# KiCad board Keyboard.kicad_pcb (continued)
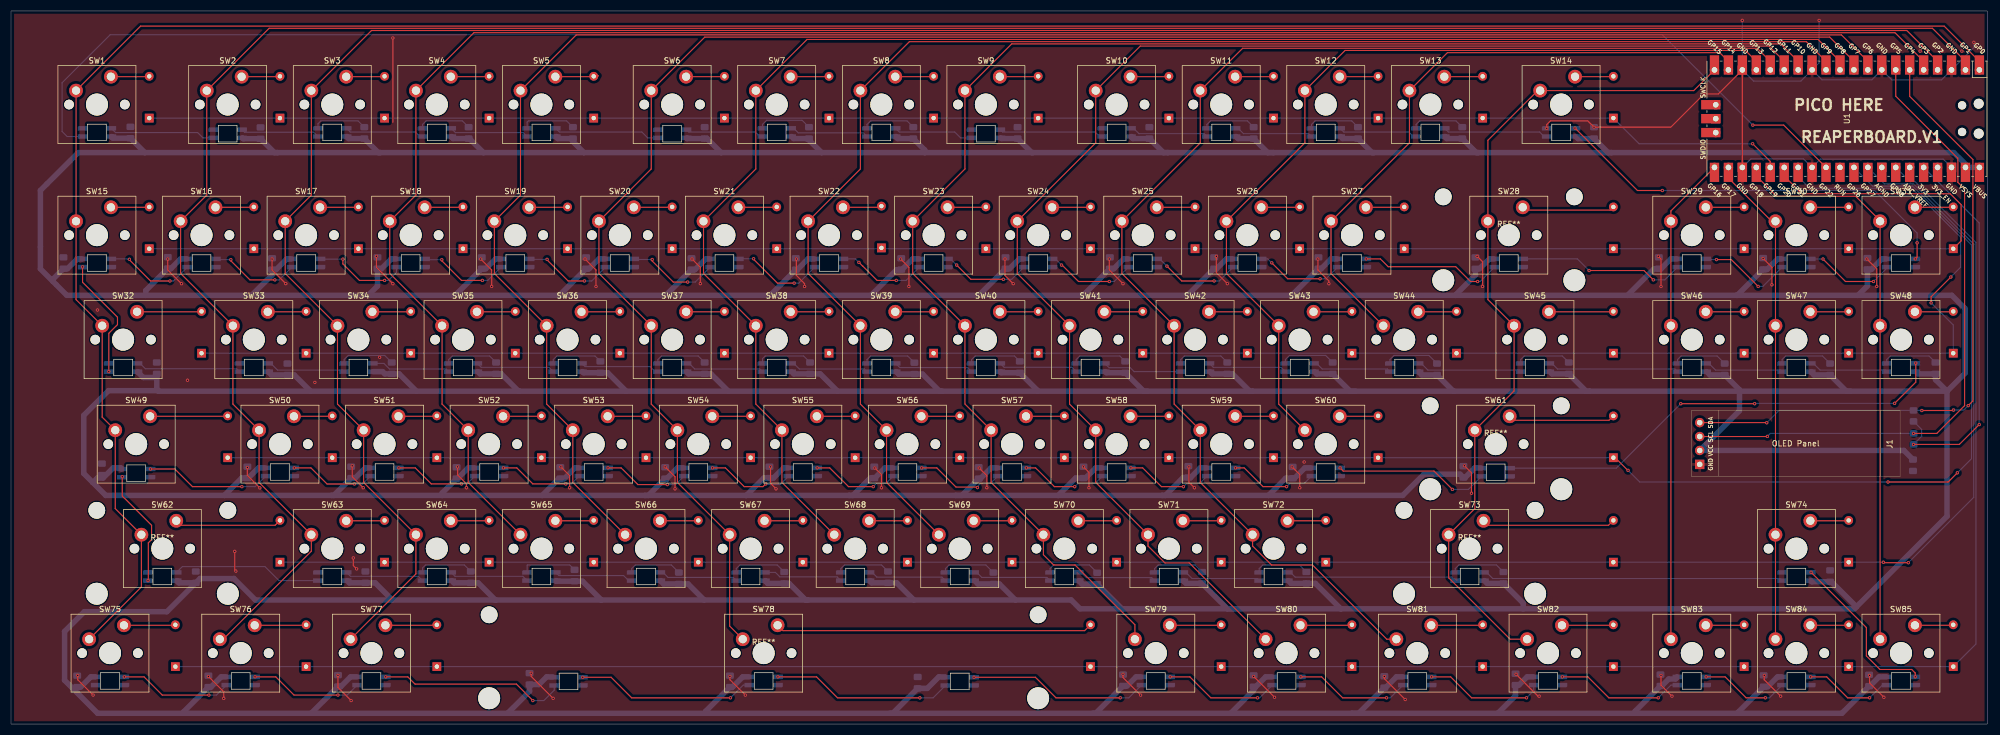
[diagram p0: board, top side]
## Placement (name value [footprint] x y rotation side) (continued)
SW78  SW_Push  [SW_Cherry_MX_PCB_6.25u]  137.1 12.93 0 top
SW79  SW_Push  [SW_Cherry_MX_PCB_1.25u]  208.54 12.93 0 top
SW80  SW_Push  [SW_Cherry_MX_PCB_1.25u]  232.35 12.93 0 top
SW81  SW_Push  [SW_Cherry_MX_PCB_1.25u]  256.17 12.93 0 top
SW82  SW_Push  [SW_Cherry_MX_PCB_1.25u]  279.98 12.93 0 top
SW83  SW_Push  [SW_Cherry_MX_PCB_1.00u]  306.17 12.93 0 top
SW84  SW_Push  [SW_Cherry_MX_PCB_1.00u]  325.22 12.93 0 top
SW85  SW_Push  [SW_Cherry_MX_PCB_1.00u]  344.27 12.93 0 top
U1  Pico  [RPi_Pico_SMD_TH]  334.43 110.37 270 top

## Library data of the parts
C1-C88 = -: Description: Unpolarized capacitor; ki_fp_filters: C_*
D1-D85 = -: Description: Diode; Sim.Pins: 1=K 2=A; ki_fp_filters: TO-???* *_Diode_* *SingleDiode* D_*
D86-D172 = -: Datasheet: https://cdn-shop.adafruit.com/product-files/2686/SK6812MINI_REV.01-1-2.pdf; Description: RGB LED with integrated controller; ki_fp_filters: LED*SK6812MINI*PLCC*3.5x3.5mm*P1.75mm*
J1 = -: Description: Generic connector, single row, 01x04, script generated; ki_fp_filters: Connector*:*_1x??_*
R1 R2 = -: Description: Resistor; ki_fp_filters: R_*
SW1-SW85 = -: Description: Push button switch, generic, two pins

## Footprints (pads in the part's own frame, mm; a bottom-side part is the same pattern mirrored in y, then rotated)
C_0805_2012Metric_Pad1.18x1.45mm_HandSolder
  rrect 1.175x1.45 smd: 1(-1.038,0) 2(1.038,0)
D_DO-35_SOD27_P7.62mm_Horizontal
  rect 1.6x1.6 hole 0.8: 1(0,0)
  oval 1.6x1.6 hole 0.8: 2(7.62,0)
R_0805_2012Metric_Pad1.20x1.40mm_HandSolder
  rrect 1.2x1.4 smd: 1(-1,0) 2(1,0)
RPi_Pico_SMD_TH
  oval 1.8x1.8 hole 1.8 unplated: (-2.725,24) (2.725,24)
  oval 1.5x1.5 hole 1.5 unplated: (-2.425,20.97) (2.425,20.97)
  oval 1.7x1.7 hole 1.02: 1(-8.89,24.13) 2(-8.89,21.59) 4(-8.89,16.51) 5(-8.89,13.97) 6(-8.89,11.43) 7(-8.89,8.89) 9(-8.89,3.81) 10(-8.89,1.27) 11(-8.89,-1.27) 12(-8.89,-3.81) 14(-8.89,-8.89) 15(-8.89,-11.43) 16(-8.89,-13.97) 17(-8.89,-16.51) 19(-8.89,-21.59) 20(-8.89,-24.13) 21(8.89,-24.13) 22(8.89,-21.59) 24(8.89,-16.51) 25(8.89,-13.97) 26(8.89,-11.43) 27(8.89,-8.89) 29(8.89,-3.81) 30(8.89,-1.27) 31(8.89,1.27) 32(8.89,3.81) 34(8.89,8.89) 35(8.89,11.43) 36(8.89,13.97) 37(8.89,16.51) 39(8.89,21.59) 40(8.89,24.13) 41(-2.54,-23.9) 43(2.54,-23.9)
  rect 3.5x1.7 smd: 1(-8.89,24.13) 2(-8.89,21.59) 3(-8.89,19.05) 4(-8.89,16.51) 5(-8.89,13.97) 6(-8.89,11.43) 7(-8.89,8.89) 8(-8.89,6.35) 9(-8.89,3.81) 10(-8.89,1.27) 11(-8.89,-1.27) 12(-8.89,-3.81) 13(-8.89,-6.35) 14(-8.89,-8.89) 15(-8.89,-11.43) 16(-8.89,-13.97) 17(-8.89,-16.51) 18(-8.89,-19.05) 19(-8.89,-21.59) 20(-8.89,-24.13) 21(8.89,-24.13) 22(8.89,-21.59) 23(8.89,-19.05) 24(8.89,-16.51) 25(8.89,-13.97) 26(8.89,-11.43) 27(8.89,-8.89) 28(8.89,-6.35) 29(8.89,-3.81) 30(8.89,-1.27) 31(8.89,1.27) 32(8.89,3.81) 33(8.89,6.35) 34(8.89,8.89) 35(8.89,11.43) 36(8.89,13.97) 37(8.89,16.51) 38(8.89,19.05) 39(8.89,21.59) 40(8.89,24.13)
  rect 1.7x1.7 hole 1.02: 3(-8.89,19.05) 8(-8.89,6.35) 13(-8.89,-6.35) 18(-8.89,-19.05) 23(8.89,-19.05) 28(8.89,-6.35) 33(8.89,6.35) 38(8.89,19.05) 42(0,-23.9)
  rect 1.7x3.5 smd: 41(-2.54,-23.9) 42(0,-23.9) 43(2.54,-23.9)
SK6812MINI-E
  rect 1.8x0.82 smd: 1(-2.6,0.75) 3(2.6,-0.75) 4(-2.6,-0.75)
  rrect 1.8x0.82 smd: 2(2.6,0.75)
SSD1306-0.91-OLED-4pin-128x32
  rect 1.7x1.7 hole 1: 1(36.5,-2.19)
  oval 1.7x1.7 hole 1: 2(36.5,-4.73) 3(36.5,-7.27) 4(36.5,-9.81)
Stabilizer_Cherry_MX_2.00u
  round 3.048 hole 3.048 unplated: (-11.938,6.985) (11.938,6.985)
  round 3.988 hole 3.988 unplated: (-11.938,-8.225) (11.938,-8.225)
Stabilizer_Cherry_MX_6.25u
  round 3.048 hole 3.048 unplated: (-50,6.985) (50,6.985)
  round 3.988 hole 3.988 unplated: (-50,-8.225) (50,-8.225)
SW_Cherry_MX_PCB_1.00u
  round 1.75 hole 1.75 unplated: (-5.08,0) (5.08,0)
  round 4 hole 4 unplated: (0,0)
  round 2.5 hole 1.5: 1(-3.81,2.54) 2(2.54,5.08)
SW_Cherry_MX_PCB_1.25u
  round 1.75 hole 1.75 unplated: (-5.08,0) (5.08,0)
  round 4 hole 4 unplated: (0,0)
  round 2.5 hole 1.5: 1(-3.81,2.54) 2(2.54,5.08)
SW_Cherry_MX_PCB_1.50u
  round 1.75 hole 1.75 unplated: (-5.08,0) (5.08,0)
  round 4 hole 4 unplated: (0,0)
  round 2.5 hole 1.5: 1(-3.81,2.54) 2(2.54,5.08)
SW_Cherry_MX_PCB_1.75u
  round 1.75 hole 1.75 unplated: (-5.08,0) (5.08,0)
  round 4 hole 4 unplated: (0,0)
  round 2.5 hole 1.5: 1(-3.81,2.54) 2(2.54,5.08)
SW_Cherry_MX_PCB_2.00u
  round 1.75 hole 1.75 unplated: (-5.08,0) (5.08,0)
  round 4 hole 4 unplated: (0,0)
  round 2.5 hole 1.5: 1(-3.81,2.54) 2(2.54,5.08)
SW_Cherry_MX_PCB_2.25u
  round 1.75 hole 1.75 unplated: (-5.08,0) (5.08,0)
  round 4 hole 4 unplated: (0,0)
  round 2.5 hole 1.5: 1(-3.81,2.54) 2(2.54,5.08)
SW_Cherry_MX_PCB_2.75u
  round 1.75 hole 1.75 unplated: (-5.08,0) (5.08,0)
  round 4 hole 4 unplated: (0,0)
  round 2.5 hole 1.5: 1(-3.81,2.54) 2(2.54,5.08)
SW_Cherry_MX_PCB_6.25u
  round 1.75 hole 1.75 unplated: (-5.08,0) (5.08,0)
  round 4 hole 4 unplated: (0,0)
  round 2.5 hole 1.5: 1(-3.81,2.54) 2(2.54,5.08)

## Nets
+3.3V: R1.2 R2.2 U1.36
+5V: C1.2 C2.1 C3.1 C4.1 C5.1 C6.1 C7.1 C8.1 C9.1 C10.1 C11.1 C12.1 C13.1 C14.1 C15.1 C16.1 C17.1 C18.1 C19.1 C20.1 C21.1 C22.1 C23.1 C24.1 C25.1 C26.1 C27.1 C28.1 C29.1 C30.1 C31.1 C32.1 C33.1 C34.1 C35.1 C36.1 C37.1 C38.1 C39.1 C40.1 C41.1 C42.1 C43.1 C44.1 C45.1 C46.1 C47.1 C48.1 C49.1 C50.1 C51.1 C52.1 C53.1 C54.1 C55.1 C56.1 C57.1 C58.1 C59.1 C60.1 C61.1 C62.1 C63.1 C64.1 C65.1 C66.1 C67.1 C68.1 C69.1 C70.1 C71.1 C72.1 C73.1 C74.1 C75.1 C76.1 C77.1 C78.1 C79.1 C80.1 C81.1 C82.1 C83.1 C84.1 C85.1 C86.1 C87.1 C88.1 D86.4 D87.4 D88.4 D89.4 D90.4 D91.4 D92.4 D93.4 D94.4 D95.4 D96.4 D97.4 D98.4 D99.4 D100.4 D101.4 D102.4 D103.4 D104.4 D105.4 D106.4 D107.4 D108.4 D109.4 D110.4 D111.4 D112.4 D113.4 D114.4 D115.4 D116.4 D117.4 D118.4 D119.4 D120.4 D121.4 D122.4 D123.4 D124.4 D125.4 D126.4 D127.4 D128.4 D129.4 D130.4 D131.4 D132.4 D133.4 D134.4 D135.4 D136.4 D137.4 D138.4 D139.4 D140.4 D141.4 D142.4 D143.4 D144.4 D145.4 D146.4 D147.4 D148.4 D149.4 D150.4 D151.4 D152.4 D153.4 D154.4 D155.4 D156.4 D157.4 D158.4 D159.4 D160.4 D161.4 D162.4 D163.4 D164.4 D165.4 D166.4 D167.4 D168.4 D169.4 D170.4 D171.4 D172.4 J1.2 U1.39 U1.40
GND: C1.1 C2.2 C3.2 C4.2 C5.2 C6.2 C7.2 C8.2 C9.2 C10.2 C11.2 C12.2 C13.2 C14.2 C15.2 C16.2 C17.2 C18.2 C19.2 C20.2 C21.2 C22.2 C23.2 C24.2 C25.2 C26.2 C27.2 C28.2 C29.2 C30.2 C31.2 C32.2 C33.2 C34.2 C35.2 C36.2 C37.2 C38.2 C39.2 C40.2 C41.2 C42.2 C43.2 C44.2 C45.2 C46.2 C47.2 C48.2 C49.2 C50.2 C51.2 C52.2 C53.2 C54.2 C55.2 C56.2 C57.2 C58.2 C59.2 C60.2 C61.2 C62.2 C63.2 C64.2 C65.2 C66.2 C67.2 C68.2 C69.2 C70.2 C71.2 C72.2 C73.2 C74.2 C75.2 C76.2 C77.2 C78.2 C79.2 C80.2 C81.2 C82.2 C83.2 C84.2 C85.2 C86.2 C87.2 C88.2 D86.2 D87.2 D88.2 D89.2 D90.2 D91.2 D92.2 D93.2 D94.2 D95.2 D96.2 D97.2 D98.2 D99.2 D100.2 D101.2 D102.2 D103.2 D104.2 D105.2 D106.2 D107.2 D108.2 D109.2 D110.2 D111.2 D112.2 D113.2 D114.2 D115.2 D116.2 D117.2 D118.2 D119.2 D120.2 D121.2 D122.2 D123.2 D124.2 D125.2 D126.2 D127.2 D128.2 D129.2 D130.2 D131.2 D132.2 D133.2 D134.2 D135.2 D136.2 D137.2 D138.2 D139.2 D140.2 D141.2 D142.2 D143.2 D144.2 D145.2 D146.2 D147.2 D148.2 D149.2 D150.2 D151.2 D152.2 D153.2 D154.2 D155.2 D156.2 D157.2 D158.2 D159.2 D160.2 D161.2 D162.2 D163.2 D164.2 D165.2 D166.2 D167.2 D168.2 D169.2 D170.2 D171.2 D172.2 J1.1 U1.3 U1.8 U1.13 U1.18 U1.23 U1.28 U1.38
C1: SW1.1 SW15.1 SW32.1 SW49.1 SW62.1 SW75.1 U1.1
C2: SW2.1 SW16.1 SW33.1 SW50.1 SW63.1 SW76.1 U1.2
C3: SW3.1 SW17.1 SW34.1 SW51.1 SW64.1 SW77.1 U1.4
C4: SW4.1 SW18.1 SW35.1 SW52.1 SW65.1 U1.5
C5: SW5.1 SW19.1 SW36.1 SW53.1 SW66.1 U1.9
C6: SW6.1 SW20.1 SW37.1 SW54.1 SW67.1 SW78.1 U1.10
C7: SW7.1 SW21.1 SW38.1 SW55.1 SW68.1 U1.11
C8: SW8.1 SW22.1 SW39.1 SW56.1 SW69.1 U1.12
C9: SW9.1 SW23.1 SW40.1 SW57.1 SW70.1 SW79.1 U1.14
C10: SW10.1 SW24.1 SW41.1 SW58.1 SW71.1 SW80.1 U1.15
C11: SW11.1 SW25.1 SW42.1 SW59.1 SW72.1 SW81.1 U1.16
C12: SW12.1 SW26.1 SW43.1 SW60.1 U1.17
C13: SW13.1 SW27.1 SW44.1 U1.19
C14: SW14.1 SW28.1 SW45.1 SW61.1 SW73.1 SW82.1 U1.20
C15: SW29.1 SW46.1 SW83.1 U1.21
C16: SW30.1 SW47.1 SW74.1 SW84.1 U1.22
C17: SW31.1 SW48.1 SW85.1 U1.24
LED: D86.3 U1.29
R1: D1.1 D2.1 D3.1 D4.1 D5.1 D6.1 D7.1 D8.1 D9.1 D10.1 D11.1 D12.1 D13.1 D14.1 U1.25
R2: D15.1 D16.1 D17.1 D18.1 D19.1 D20.1 D21.1 D22.1 D23.1 D24.1 D25.1 D26.1 D27.1 D28.1 D29.1 D30.1 D31.1 U1.26
R3: D32.1 D33.1 D34.1 D35.1 D36.1 D37.1 D38.1 D39.1 D40.1 D41.1 D42.1 D43.1 D44.1 D45.1 D46.1 D47.1 D48.1 U1.27
R4: D49.1 D50.1 D51.1 D52.1 D53.1 D54.1 D55.1 D56.1 D57.1 D58.1 D59.1 D60.1 D61.1 U1.31
R5: D62.1 D63.1 D64.1 D65.1 D66.1 D67.1 D68.1 D69.1 D70.1 D71.1 D72.1 D73.1 D74.1 U1.32
R6: D75.1 D76.1 D77.1 D78.1 D79.1 D80.1 D81.1 D82.1 D83.1 D84.1 D85.1 U1.34
SCL: J1.3 R1.1 U1.7
SDA: J1.4 R2.1 U1.6
Net-(D1-A): D1.2 SW1.2
Net-(D2-A): D2.2 SW2.2
Net-(D3-A): D3.2 SW3.2
Net-(D4-A): D4.2 SW4.2
Net-(D5-A): D5.2 SW5.2
Net-(D6-A): D6.2 SW6.2
Net-(D7-A): D7.2 SW7.2
Net-(D8-A): D8.2 SW8.2
Net-(D9-A): D9.2 SW9.2
Net-(D10-A): D10.2 SW10.2
Net-(D11-A): D11.2 SW11.2
Net-(D12-A): D12.2 SW12.2
Net-(D13-A): D13.2 SW13.2
Net-(D14-A): D14.2 SW14.2
Net-(D15-A): D15.2 SW15.2
Net-(D16-A): D16.2 SW16.2
Net-(D17-A): D17.2 SW17.2
Net-(D18-A): D18.2 SW18.2
Net-(D19-A): D19.2 SW19.2
Net-(D20-A): D20.2 SW20.2
Net-(D21-A): D21.2 SW21.2
Net-(D22-A): D22.2 SW22.2
Net-(D23-A): D23.2 SW23.2
Net-(D24-A): D24.2 SW24.2
Net-(D25-A): D25.2 SW25.2
Net-(D26-A): D26.2 SW26.2
Net-(D27-A): D27.2 SW27.2
Net-(D28-A): D28.2 SW28.2
Net-(D29-A): D29.2 SW29.2
Net-(D30-A): D30.2 SW30.2
Net-(D31-A): D31.2 SW31.2
Net-(D32-A): D32.2 SW32.2
Net-(D33-A): D33.2 SW33.2
Net-(D34-A): D34.2 SW34.2
Net-(D35-A): D35.2 SW35.2
Net-(D36-A): D36.2 SW36.2
Net-(D37-A): D37.2 SW37.2
Net-(D38-A): D38.2 SW38.2
Net-(D39-A): D39.2 SW39.2
Net-(D40-A): D40.2 SW40.2
Net-(D41-A): D41.2 SW41.2
Net-(D42-A): D42.2 SW42.2
Net-(D43-A): D43.2 SW43.2
Net-(D44-A): D44.2 SW44.2
Net-(D45-A): D45.2 SW45.2
Net-(D46-A): D46.2 SW46.2
Net-(D47-A): D47.2 SW47.2
Net-(D48-A): D48.2 SW48.2
Net-(D49-A): D49.2 SW49.2
Net-(D50-A): D50.2 SW50.2
Net-(D51-A): D51.2 SW51.2
Net-(D52-A): D52.2 SW52.2
Net-(D53-A): D53.2 SW53.2
Net-(D54-A): D54.2 SW54.2
Net-(D55-A): D55.2 SW55.2
Net-(D56-A): D56.2 SW56.2
Net-(D57-A): D57.2 SW57.2
Net-(D58-A): D58.2 SW58.2
Net-(D59-A): D59.2 SW59.2
Net-(D60-A): D60.2 SW60.2
Net-(D61-A): D61.2 SW61.2
Net-(D62-A): D62.2 SW62.2
Net-(D63-A): D63.2 SW63.2
Net-(D64-A): D64.2 SW64.2
Net-(D65-A): D65.2 SW65.2
Net-(D66-A): D66.2 SW66.2
Net-(D67-A): D67.2 SW67.2
Net-(D68-A): D68.2 SW68.2
Net-(D69-A): D69.2 SW69.2
Net-(D70-A): D70.2 SW70.2
Net-(D71-A): D71.2 SW71.2
Net-(D72-A): D72.2 SW72.2
Net-(D73-A): D73.2 SW73.2
Net-(D74-A): D74.2 SW74.2
Net-(D75-A): D75.2 SW75.2
Net-(D76-A): D76.2 SW76.2
Net-(D77-A): D77.2 SW77.2
Net-(D78-A): D78.2 SW78.2
Net-(D79-A): D79.2 SW79.2
Net-(D80-A): D80.2 SW80.2
Net-(D81-A): D81.2 SW81.2
Net-(D82-A): D82.2 SW82.2
Net-(D83-A): D83.2 SW83.2
Net-(D84-A): D84.2 SW84.2
Net-(D85-A): D85.2 SW85.2
Net-(D86-DOUT): D86.1 D87.3
Net-(D87-DOUT): D87.1 D88.3
Net-(D88-DOUT): D88.1 D89.3
Net-(D89-DOUT): D89.1 D90.3
Net-(D90-DOUT): D90.1 D91.3
Net-(D91-DOUT): D91.1 D92.3
Net-(D92-DOUT): D92.1 D93.3
Net-(D93-DOUT): D93.1 D94.3
Net-(D94-DOUT): D94.1 D95.3
Net-(D95-DOUT): D95.1 D96.3
Net-(D96-DOUT): D96.1 D97.3
Net-(D97-DOUT): D97.1 D98.3
Net-(D98-DOUT): D98.1 D99.3
Net-(D100-DIN): D99.1 D100.3
Net-(D100-DOUT): D100.1 D101.3
Net-(D101-DOUT): D101.1 D102.3
Net-(D102-DOUT): D102.1 D103.3
Net-(D103-DOUT): D103.1 D104.3
Net-(D104-DOUT): D104.1 D105.3
Net-(D105-DOUT): D105.1 D106.3
Net-(D106-DOUT): D106.1 D107.3
Net-(D107-DOUT): D107.1 D108.3
Net-(D108-DOUT): D108.1 D109.3
Net-(D109-DOUT): D109.1 D110.3
Net-(D110-DOUT): D110.1 D111.3
Net-(D111-DOUT): D111.1 D112.3
Net-(D112-DOUT): D112.1 D113.3
Net-(D113-DOUT): D113.1 D114.3
Net-(D114-DOUT): D114.1 D115.3
Net-(D115-DOUT): D115.1 D116.3
Net-(D116-DOUT): D116.1 D117.3
Net-(D117-DOUT): D117.1 D118.3
Net-(D118-DOUT): D118.1 D119.3
Net-(D119-DOUT): D119.1 D120.3
Net-(D120-DOUT): D120.1 D121.3
Net-(D121-DOUT): D121.1 D122.3
Net-(D122-DOUT): D122.1 D123.3
Net-(D123-DOUT): D123.1 D124.3
Net-(D124-DOUT): D124.1 D125.3
Net-(D125-DOUT): D125.1 D126.3
Net-(D126-DOUT): D126.1 D127.3
Net-(D127-DOUT): D127.1 D128.3
Net-(D128-DOUT): D128.1 D129.3
Net-(D129-DOUT): D129.1 D130.3
Net-(D130-DOUT): D130.1 D131.3
Net-(D131-DOUT): D131.1 D132.3
Net-(D132-DOUT): D132.1 D133.3
Net-(D133-DOUT): D133.1 D134.3
Net-(D134-DOUT): D134.1 D135.3
Net-(D135-DOUT): D135.1 D136.3
Net-(D136-DOUT): D136.1 D137.3
Net-(D137-DOUT): D137.1 D138.3
Net-(D138-DOUT): D138.1 D139.3
Net-(D139-DOUT): D139.1 D140.3
Net-(D140-DOUT): D140.1 D141.3
Net-(D141-DOUT): D141.1 D142.3
Net-(D142-DOUT): D142.1 D143.3
Net-(D143-DOUT): D143.1 D144.3
Net-(D144-DOUT): D144.1 D145.3
Net-(D145-DOUT): D145.1 D146.3
Net-(D146-DOUT): D146.1 D147.3
Net-(D147-DOUT): D147.1 D148.3
Net-(D148-DOUT): D148.1 D149.3
Net-(D149-DOUT): D149.1 D150.3
Net-(D150-DOUT): D150.1 D151.3
Net-(D151-DOUT): D151.1 D152.3
Net-(D152-DOUT): D152.1 D153.3
Net-(D153-DOUT): D153.1 D154.3
Net-(D154-DOUT): D154.1 D155.3
Net-(D155-DOUT): D155.1 D156.3
Net-(D156-DOUT): D156.1 D157.3
Net-(D157-DOUT): D157.1 D158.3
Net-(D158-DOUT): D158.1 D159.3
Net-(D159-DOUT): D159.1 D160.3
Net-(D160-DOUT): D160.1 D161.3
Net-(D161-DOUT): D161.1 D162.3
Net-(D162-DOUT): D162.1 D163.3
Net-(D163-DOUT): D163.1 D164.3
Net-(D164-DOUT): D164.1 D165.3
Net-(D165-DOUT): D165.1 D166.3
Net-(D166-DOUT): D166.1 D167.3
Net-(D167-DOUT): D167.1 D168.3
Net-(D168-DOUT): D168.1 D169.3
Net-(D169-DOUT): D169.1 D170.3
Net-(D170-DOUT): D170.1 D171.3
Net-(D171-DOUT): D171.1 D172.3

Pads without a net: D172 1; U1 30 33 35 37 41 42 43

## Via types
v1: diameter 0.6, hole 0.3, Top to Bottom, 209 vias

## Routing (per net, layer and track width the routed paths; a pad name or vN(x,y) marks a point on that pad's centre or on a via; arc(x,y) is an arc through that point)
+3.3V: length 70
  Top w0.2: v1(346.56,50.98) 354.9,50.98 v1(358.52,54.6)
  Bottom w0.2: v1(358.52,54.6) 358.52,91.36 U1.36 ; v1(346.56,50.98) 348.04,52.46 348.04,53.7 R2.2
+5V: length 2924.2
  Bottom w0.2: 16.76,44.84 17,44.84 17.06,44.78
  Bottom w1: 314.66,1.96 333.51,1.96 C88.1 338.58,6.9 340.28,8.6 341.57,8.6 ; 314.66,1.96 295.86,1.96 ; 314.66,1.96 314.66,2.2 C87.1 319.98,6.8 321.78,8.6 322.52,8.6 ; 31.46,1.96 31.46,2.24 C77.1 36.42,6.74 38.28,8.6 39.15,8.6 ; 31.46,1.96 15.78,1.96 11.36,6.38 ; 31.46,1.96 54.66,1.96 ; 20.1,46.49 20.1,46.59 20,46.7 18.62,46.7 16.76,44.84 15.72,44.84 14.91,44.03 ; 267.26,104.18 248.26,104.18 ; 267.26,104.18 266.92,104.18 C14.1 261.52,106.74 261.25,107.01 261.25,107.11 ; 267.26,104.18 291.56,104.18 ; 248.26,104.18 247.92,104.18 C13.1 242.57,106.74 242.2,107.11 ; 248.26,104.18 229.96,104.18 ; 182.96,22.62 180.03,25.54 C70.1 176.13,25.54 175.52,26.15 ; 182.96,22.62 164.46,22.62 ; 182.96,22.62 193.12,22.62 194.73,21.01 202.56,21.01 ; 61.22,26.15 61.63,25.74 C64.1 66.33,25.74 69.46,22.62 ; 96.76,41.68 115.46,41.68 ; 96.76,41.68 99.82,44.74 C54.1 100.78,44.74 102.74,46.7 103.45,46.7 ; 96.76,41.68 78.56,41.68 ; 115.46,41.68 133.86,41.68 ; 115.46,41.68 116.1,41.68 C55.1 119.43,44.74 121.38,46.7 122.5,46.7 ; 194.86,78.16 214.16,78.16 ; 194.86,78.16 176.36,78.16 ; 194.86,78.16 195.31,78.16 C26.1 200.88,83.01 202.67,84.8 203.46,84.8 ; 214.16,78.16 232.96,78.16 ; 214.16,78.16 214.31,78.16 C27.1 219.61,83.01 221.4,84.8 222.51,84.8 ; 161.24,107.11 161.24,107.01 161.5,106.74 C9.1 166.46,104.64 166.46,104.18 ; 352.66,60.68 335.06,60.68 ; 352.66,60.68 352.66,37.88 336.16,21.38 ; 352.66,60.68 350.56,62.78 C49.1 347.38,63.84 346.97,64.25 ; 352.66,60.68 355.96,63.98 355.96,75.73 353.53,78.16 336.44,78.16 ; 335.06,60.68 334.32,60.68 C48.1 328.43,63.64 327.92,64.15 327.92,64.25 ; 335.06,60.68 314.86,60.68 ; 322.52,84.8 321.8,84.8 319.88,82.88 C31.1 314.44,78.16 314.26,78.16 ; 327.92,26.15 327.92,26.05 328.03,25.94 C75.1 331.6,25.94 336.16,21.38 ; 108.21,84.8 107.1,84.8 105.31,83.01 C21.1 99.91,78.16 99.56,78.16 ; 126.56,1.96 160.16,1.96 ; 126.56,1.96 90.46,1.96 ; 126.56,1.96 126.56,2.34 C80.1 131.43,6.74 133.29,8.6 134.4,8.6 ; 160.16,1.96 160.61,1.96 C81.1 166.91,6.5 169.01,8.6 170.12,8.6 ; 160.16,1.96 197.16,1.96 ; 92.66,60.68 92.46,60.68 89.3,63.84 C36.1 85.44,63.84 85.04,64.25 ; 92.66,60.68 112.06,60.68 ; 92.66,60.68 73.86,60.68 ; 130.66,60.68 112.06,60.68 ; 130.66,60.68 150.56,60.68 ; 130.66,60.68 127.5,63.84 C38.1 123.44,63.84 123.14,64.15 123.14,64.25 ; 112.06,60.68 108.7,64.04 C37.1 104.29,64.04 104.09,64.25 ; 222.16,1.96 226.36,6.16 C83.1 226.75,6.8 228.54,8.6 229.65,8.6 ; 222.16,1.96 244.26,1.96 ; 222.16,1.96 197.16,1.96 ; 314.26,78.16 336.44,78.16 ; 314.26,78.16 294.46,78.16 ; 336.44,78.16 338.16,79.88 C32.1 338.88,82.88 340.8,84.8 341.57,84.8 ; 38.86,41.68 17.26,41.68 14.91,44.03 ; 38.86,41.68 42.02,44.84 C51.1 43.22,44.84 45.08,46.7 46.3,46.7 ; 38.86,41.68 58.36,41.68 ; 43.86,78.16 65.06,78.16 ; 43.86,78.16 24.56,78.16 ; 43.86,78.16 43.86,78.18 47.56,81.88 C18.1 48.28,82.84 50.24,84.8 51.06,84.8 ; 65.06,78.16 80.96,78.16 ; 65.06,78.16 66.76,79.86 C19.1 67.48,83.01 69.27,84.8 70.11,84.8 ; 202.56,21.01 202.35,21.01 197.86,25.5 195.12,25.5 194.57,26.05 194.57,26.15 ; 202.56,21.01 222.66,21.01 ; 217.75,46.7 216.63,46.7 214.88,44.94 C60.1 213.52,44.94 210.26,41.68 209.66,41.68 ; 138.56,78.16 156.66,78.16 ; 138.56,78.16 119.36,78.16 ; 138.56,78.16 138.56,78.44 C23.1 143.22,82.84 145.18,84.8 146.31,84.8 ; 156.66,78.16 176.36,78.16 ; 156.66,78.16 161.34,82.84 C24.1 162.29,82.84 164.25,84.8 165.36,84.8 ; 179.65,46.7 178.53,46.7 176.58,44.74 C58.1 173.2,41.68 172.06,41.68 ; 180.29,106.87 180.41,106.74 C10.1 185.92,104.18 186.16,104.18 ; 24.56,78.16 10.18,78.16 7.66,80.68 ; 24.56,78.16 24.56,79.04 C17.1 29.14,83.04 30.9,84.8 32.01,84.8 ; 205.84,8.6 204.94,8.6 203.28,6.94 C82.1 197.58,1.96 197.16,1.96 ; 166.46,104.18 147.66,104.18 ; 166.46,104.18 186.16,104.18 ; 229.06,41.68 232.18,44.8 C61.1 233.79,44.8 235.68,46.7 236.8,46.7 ; 229.06,41.68 209.66,41.68 ; 229.06,41.68 253.51,41.68 257.38,45.55 263.95,45.55 C62.1 264.88,44.94 266.64,46.7 267.75,46.7 ; 11.36,6.38 11.7,6.38 C76.1 12.69,6.74 14.55,8.6 15.34,8.6 ; 11.36,6.38 9.76,7.98 9.76,16.88 13.36,20.48 28.4,20.48 C63.1 ; 237.44,64.25 237.84,63.84 C44.1 243.92,60.68 244.86,60.68 ; 104.36,104.18 102.36,106.18 C6.1 99.59,106.74 99.32,107.01 99.32,107.11 ; 104.36,104.18 129.36,104.18 ; 104.36,104.18 86.06,104.18 ; 54.56,60.68 26.86,60.68 26.86,60.78 ; 54.56,60.68 73.86,60.68 ; 54.56,60.68 51.6,63.64 C34.1 47.44,63.64 46.94,64.15 46.94,64.25 ; 275.46,21.01 335.79,21.01 336.16,21.38 ; 275.46,21.01 242.26,21.01 ; 275.46,21.01 275.46,22.04 C74.1 268.9,25.64 268.39,26.15 ; 314.86,60.68 314.86,57.13 J1.2 344.8,49.87 C1.2 ; 314.86,60.68 314.86,60.94 C47.1 309.48,63.64 308.87,64.25 ; 314.86,60.68 287.56,60.68 ; 198.7,46.7 197.58,46.7 195.73,44.84 C59.1 193.92,44.84 190.76,41.68 ; 18.36,107.11 18.36,107.01 18.57,106.8 C2.1 24.38,104.18 ; 294.46,78.16 299.31,83.01 C30.1 300.57,83.01 302.36,84.8 303.47,84.8 ; 294.46,78.16 263.06,78.16 ; 26.86,60.78 26.56,61.08 26.56,63.18 ; 26.86,60.78 17.76,60.78 13.26,56.28 13.26,45.68 14.91,44.03 ; 80.96,78.16 80.96,78.21 C20.1 86.48,83.01 88.27,84.8 89.16,84.8 ; 80.96,78.16 99.56,78.16 ; 176.36,78.16 176.36,78.21 C25.1 181.88,83.01 183.67,84.8 184.41,84.8 ; 133.86,41.68 133.96,41.68 137.12,44.84 C56.1 138.88,44.84 140.74,46.7 141.55,46.7 ; 133.86,41.68 152.66,41.68 ; 99.56,78.16 119.36,78.16 ; 164.46,22.62 161.33,25.74 C69.1 156.78,25.74 156.47,26.05 156.47,26.15 ; 164.46,22.62 145.16,22.62 ; 48.56,104.18 47.98,104.18 C3.1 42.34,106.7 42.17,106.87 ; 48.56,104.18 24.38,104.18 ; 48.56,104.18 67.26,104.18 ; 222.66,21.01 221.59,21.01 C72.1 214.03,25.64 213.62,26.05 213.62,26.15 ; 222.66,21.01 242.26,21.01 ; 24.38,104.18 12.26,104.18 5.36,97.28 5.36,82.98 7.66,80.68 ; 107.56,22.62 88.36,22.62 ; 107.56,22.62 107.52,22.62 104.1,26.04 C66.1 99.33,26.04 99.32,26.05 99.32,26.15 ; 107.56,22.62 126.26,22.62 ; 88.36,22.62 69.46,22.62 ; 88.36,22.62 88.22,22.62 85.1,25.74 C65.1 80.68,25.74 80.27,26.15 ; 253.46,8.6 252.35,8.6 250.4,6.64 C84.1 245.48,1.96 244.26,1.96 ; 129.36,104.18 147.66,104.18 ; 129.36,104.18 126.8,106.74 C7.1 123.16,106.74 123.14,106.76 123.14,106.87 ; 65.35,46.7 64.54,46.7 62.68,44.84 C52.1 58.8,41.68 58.36,41.68 ; 206.96,60.68 186.96,60.68 ; 206.96,60.68 206.32,60.68 C42.1 199.54,64.04 199.34,64.25 ; 206.96,60.68 226.16,60.68 ; 186.96,60.68 169.56,60.68 ; 186.96,60.68 186.96,60.84 C41.1 180.39,64.04 180.29,64.15 180.29,64.25 ; 270.13,84.8 269.28,84.8 267.48,83 C29.1 266.76,81.86 263.06,78.16 ; 69.46,22.62 44.52,22.62 40.61,26.53 34.45,26.53 C63.1 ; 295.86,1.96 295.86,2.34 C86.1 300.7,6.94 301.97,8.21 303.18,8.21 303.47,8.5 303.47,8.6 ; 295.86,1.96 270.86,1.96 ; C63.1 30.57,25.74 30.27,26.05 30.27,26.15 ; 84.4,46.7 83.28,46.7 81.33,44.74 C53.1 78.56,42.14 78.56,41.68 ; 152.66,41.68 172.06,41.68 ; 152.66,41.68 153.36,41.68 156.52,44.84 C57.1 157.35,44.84 159.21,46.7 160.6,46.7 ; 172.06,41.68 190.76,41.68 ; 7.66,80.68 7.66,81.11 C16.1 10.28,83.01 12.07,84.8 12.96,84.8 ; 137.42,26.15 137.42,26.05 137.83,25.64 C68.1 141.73,25.64 144.76,22.62 145.16,22.62 ; 90.46,1.96 54.66,1.96 ; 90.46,1.96 94.46,5.96 C79.1 96.18,7.2 97.57,8.6 98.68,8.6 ; 58.36,41.68 78.56,41.68 ; 277.28,8.6 276.17,8.6 274.67,7.1 274.06,7.1 274.06,5.18 270.86,1.98 270.86,1.96 ; 169.56,60.68 169.16,60.68 166.03,63.8 C40.1 161.68,63.8 161.24,64.25 ; 169.56,60.68 150.56,60.68 ; 285.06,107.11 285.43,106.74 C15.1 290.92,104.18 291.56,104.18 ; 86.06,104.18 83.5,106.74 C5.1 80.54,106.74 80.27,107.01 80.27,107.11 ; 86.06,104.18 67.26,104.18 ; 147.66,104.18 145.36,106.48 C8.1 142.56,106.74 142.19,107.11 ; 142.19,64.25 142.59,63.84 C39.1 147.4,63.84 150.56,60.68 ; 190.76,41.68 209.66,41.68 ; 232.67,26.15 233.18,25.64 C73.1 237.6,25.64 242.23,21.01 242.26,21.01 ; 204.1,107.11 204.1,107.01 204.37,106.74 C11.1 209.92,104.18 210.76,104.18 ; 232.96,78.16 263.06,78.16 ; 232.96,78.16 233.31,78.16 C28.1 238.66,83.01 240.45,84.8 241.56,84.8 ; 280.3,64.25 280.71,63.84 C46.1 286.92,60.68 287.56,60.68 ; 145.16,22.62 126.26,22.62 ; 126.26,22.62 123.33,25.54 C67.1 118.88,25.54 118.37,26.05 118.37,26.15 ; 223.15,107.11 223.52,106.74 C12.1 228.92,104.18 229.96,104.18 ; 73.86,60.68 70.7,63.84 C35.1 68.1,63.84 67.69,64.25 65.99,64.25 ; 26.56,63.18 24.09,63.18 23.12,64.15 23.12,64.25 ; 26.56,63.18 C33.1 ; 244.86,60.68 226.16,60.68 ; 244.86,60.68 262.86,60.68 ; 226.16,60.68 225.66,60.68 222.5,63.84 C43.1 218.79,63.84 218.39,64.25 ; 210.76,104.18 186.16,104.18 ; 210.76,104.18 229.96,104.18 ; 119.36,78.16 119.36,78.24 C22.1 124.59,82.84 126.55,84.8 127.26,84.8 ; 256.49,64.25 256.49,64.15 256.99,63.64 C45.1 262.72,60.68 262.86,60.68 ; 67.26,104.18 66.92,104.18 C4.1 61.49,106.74 61.22,107.01 61.22,107.11 ; 287.56,60.68 262.86,60.68 ; 244.26,1.96 270.86,1.96 ; 291.56,104.18 353.88,104.18 356.02,102.04 U1.39 U1.40 ; 54.66,1.96 54.68,1.96 C78.1 60.1,6.84 61.85,8.6 62.96,8.6
GND: length 738.9
  Top w0.2: v1(106.56,79.78) 106.56,82.78 v1(104.56,84.78) ; v1(62.16,47.08) 62.16,45.08 v1(64.16,43.08) ; v1(338.06,84.78) 339.86,82.98 v1(339.86,79.78) ; v1(62.96,28.28) 62.36,28.88 v1(62.36,30.28) ; v1(267.06,85.28) 268.06,84.28 v1(268.06,79.78) ; v1(61.96,4.28) 59.56,6.68 v1(59.56,8.88) ; v1(130.96,8.68) 130.96,8.08 v1(133.76,5.28) ; v1(40.96,27.88) 40.76,28.08 v1(40.76,31.48) ; v1(266.04,42.08) 266.04,45.79 v1(264.76,47.08) ; v1(35.96,8.68) 38.76,5.88 v1(38.76,4.68) ; v1(202.56,9.08) 202.56,8.48 v1(205.76,5.28) ; v1(221.56,80.28) 219.56,82.28 v1(219.56,85.28) ; v1(176.36,46.68) 177.76,45.28 v1(177.76,43.08) ; v1(234.76,43.08) 234.76,45.48 v1(233.36,46.88) ; v1(163.56,79.78) 163.56,83.28 v1(162.06,84.78) ; v1(319.16,84.88) 320.76,83.28 v1(320.76,80.08) ; v1(43.06,46.78) 43.06,45.32 v1(45.33,43.05) ; v1(50.06,80.28) 47.56,82.78 v1(47.56,84.78) ; v1(125.56,80.28) 125.56,83.28 v1(124.06,84.78) ; v1(278.36,5.08) 278.16,5.08 v1(274.16,9.08) ; v1(300.56,79.78) 300.56,84.78 v1(300.06,85.28) ; v1(226.36,8.68) v1(230.16,4.88) ; v1(66.56,85.28) 66.56,83.28 v1(69.56,80.28) ; v1(85.56,84.78) 87.56,82.78 v1(87.56,79.78) ; v1(302.56,5.08) 300.56,7.08 v1(300.56,8.88) ; v1(338.56,8.88) 338.56,7.48 v1(341.16,4.88) ; v1(200.06,84.78) 200.06,82.78 v1(202.56,80.28) ; v1(28.56,84.78) 28.56,82.78 v1(31.06,80.28) ; v1(101.76,43.08) 101.76,45.28 v1(100.16,46.88) ; v1(144.56,79.78) 144.56,80.28 143.06,81.78 v1(143.06,84.78) ; v1(250.16,8.68) 250.16,8.28 v1(253.96,4.48) ; v1(182.56,80.28) 181.06,81.78 v1(181.06,84.78) ; v1(120.96,42.88) 120.96,45.08 v1(119.16,46.88) ; v1(240.06,80.28) 240.06,80.78 238.06,82.78 v1(238.06,84.78) ; v1(138.36,46.88) 138.36,43.88 v1(139.36,42.88) ; v1(157.36,46.68) 158.56,45.48 v1(158.56,43.08) ; v1(81.36,46.88) 81.36,45.4 82.96,43.8 v1(82.96,43.08) ; v1(14.96,5.28) 12.16,8.08 v1(12.16,8.88) ; v1(195.36,46.88) 196.36,45.88 v1(196.36,43.08) ; v1(214.56,46.88) 214.56,44.08 v1(215.56,43.08) ; v1(94.76,9.28) 94.76,8.68 v1(98.76,4.68) ; v1(279.76,108.61) 279.76,109.31 280.41,109.96 287.21,109.96 v1(288.36,108.82) 302.33,108.82 308.4,114.88 311,114.88 U1.18 U1.23 ; 69.56,109.68 v1(69.56,125.07) ; v1(322.36,5.08) 319.36,8.08 v1(319.36,8.88)
  Bottom w0.2: v1(104.56,84.78) 104.76,84.98 C21.2 ; D98.2 255.95,109.31 256.6,109.96 263.21,109.96 C14.2 ; C12.2 225.21,109.96 218.5,109.96 217.85,109.31 D96.2 ; v1(357.56,124.28) 357.56,123.34 U1.3 351.66,117.44 342.6,117.44 U1.8 338.97,117.45 329.89,117.45 U1.13 ; C52.2 62,46.92 v1(62.16,47.08) ; C61.2 v1(233.36,46.88) ; v1(157.36,46.68) 157.26,46.78 C57.2 ; D89.2 74.97,109.31 75.62,109.96 82.21,109.96 C5.2 ; U1.38 351.97,102.99 329.59,102.99 U1.28 326.51,103.05 316.95,103.05 U1.23 ; v1(219.56,85.28) 219.37,85.09 C27.2 ; C9.2 163.21,109.96 156.59,109.96 155.93,109.31 D93.2 ; D130.2 275,66.45 275.65,67.1 282.58,67.1 C46.2 ; D129.2 251.18,66.45 251.94,67.2 258.27,67.2 C45.2 ; C30.2 300.16,85.18 v1(300.06,85.28) ; v1(12.16,8.88) 12.1,8.82 C76.2 ; U1.13 329.36,120.54 v1(329.36,128.28) ; U1.13 326.04,117.22 317.42,117.22 U1.18 315.36,119.28 v1(315.36,128.28) ; v1(181.06,84.78) 181.16,84.88 C25.2 ; D132.2 322.62,66.45 323.27,67.1 329.98,67.1 C48.2 ; C44.2 239.47,67.2 232.89,67.2 232.13,66.45 D128.2 ; C24.2 162.16,84.88 v1(162.06,84.78) ; C86.2 300.46,8.98 v1(300.56,8.88) ; D131.2 303.57,66.45 304.22,67.1 310.78,67.1 C47.2 ; v1(176.36,46.68) 176.26,46.78 C58.2 ; C39.2 144.38,67.1 137.38,67.1 136.88,66.6 136.88,65.75 ; v1(124.06,84.78) 123.96,84.88 C22.2 ; C77.2 v1(35.96,8.68) ; C72.2 215.68,29 208.97,29 208.32,28.35 D156.2 ; v1(264.76,47.08) 264.7,47.02 C62.2 ; D127.2 213.08,66.45 213.74,67.1 220.38,67.1 C43.2 ; v1(238.06,84.78) 238.16,84.88 C28.2 ; v1(66.56,85.28) 66.75,85.09 C19.2 ; C42.2 201.98,67.1 194.69,67.1 194.03,66.45 D126.2 ; C85.2 v1(274.16,9.08) ; 62.36,30.48 v1(62.36,30.28) ; C84.2 v1(250.16,8.68) ; C35.2 68.07,67.2 61.44,67.2 60.68,66.45 D119.2 ; C70.2 177.58,29 170.87,29 170.22,28.35 D154.2 ; C60.2 214.46,46.98 v1(214.56,46.88) ; C17.2 v1(28.56,84.78) ; D120.2 79.73,66.45 80.39,67.1 87.18,67.1 C36.2 ; C79.2 v1(94.76,9.28) ; C13.2 244.21,109.96 237.55,109.96 236.9,109.31 D97.2 ; v1(100.16,46.88) 100.1,46.82 C54.2 ; C88.2 v1(338.56,8.88) ; v1(85.56,84.78) 85.76,84.98 C20.2 ; C73.2 234.68,29 228.02,29 227.37,28.35 D157.2 ; C49.2 349.38,67.1 342.32,67.1 341.67,66.45 D133.2 ; C41.2 182.78,67.1 175.64,67.1 174.98,66.45 D125.2 ; C69.2 158.58,29 151.82,29 151.17,28.35 D153.2 ; C65.2 82.58,29 75.51,29 74.97,28.47 D149.2 ; C74.2 270.58,29 263.74,29 263.09,28.35 D158.2 ; C56.2 138.32,46.92 v1(138.36,46.88) ; C82.2 v1(202.56,9.08) ; C87.2 v1(319.36,8.88) ; C80.2 v1(130.96,8.68) ; v1(338.06,84.78) 338.16,84.88 C32.2 ; C59.2 v1(195.36,46.88) ; v1(267.06,85.28) 266.86,85.08 C29.2 ; v1(143.06,84.78) 142.96,84.88 C23.2 ; C37.2 106.38,67.1 99.44,67.1 98.78,66.45 98.78,65.75 ; C67.2 120.28,29 113.72,29 113.07,28.35 D151.2 ; C26.2 200.16,84.88 v1(200.06,84.78) ; 40.96,31.48 v1(40.76,31.48) ; C71.2 196.44,29 189.92,29 189.27,28.35 D155.2 ; C78.2 v1(59.56,8.88) ; C83.2 v1(226.36,8.68) ; C8.2 144.11,110.07 137.64,110.07 136.88,109.31 136.88,108.61 ; D152.2 132.12,28.35 132.77,29 139.58,29 C68.2 ; C66.2 101.78,29 94.08,29 94.02,28.94 D150.2 ; C51.2 v1(43.06,46.78) ; D124.2 155.93,66.45 156.59,67.1 163.34,67.1 C40.2 ; D88.2 55.92,109.44 56.44,109.96 63.21,109.96 C4.2 ; C55.2 v1(119.16,46.88) ; C53.2 81.3,46.82 v1(81.36,46.88) ; C18.2 v1(47.56,84.78) ; C6.2 101.21,109.96 94.24,109.96 94.02,109.74 D90.2 ; C31.2 v1(319.16,84.88) ; C38.2 125.18,67.1 118.49,67.1 117.83,66.45 D122.2
  vias: v1(15.76,75.48) v1(32.16,62.68) v1(55.36,62.28) v1(67.16,66.88) v1(235.56,47.78) v1(347.76,122.68) v1(351.76,122.68) v1(355.36,122.68)
